# KiCad board HPM6E00FULLPORTRevB.kicad_pcb (continued)
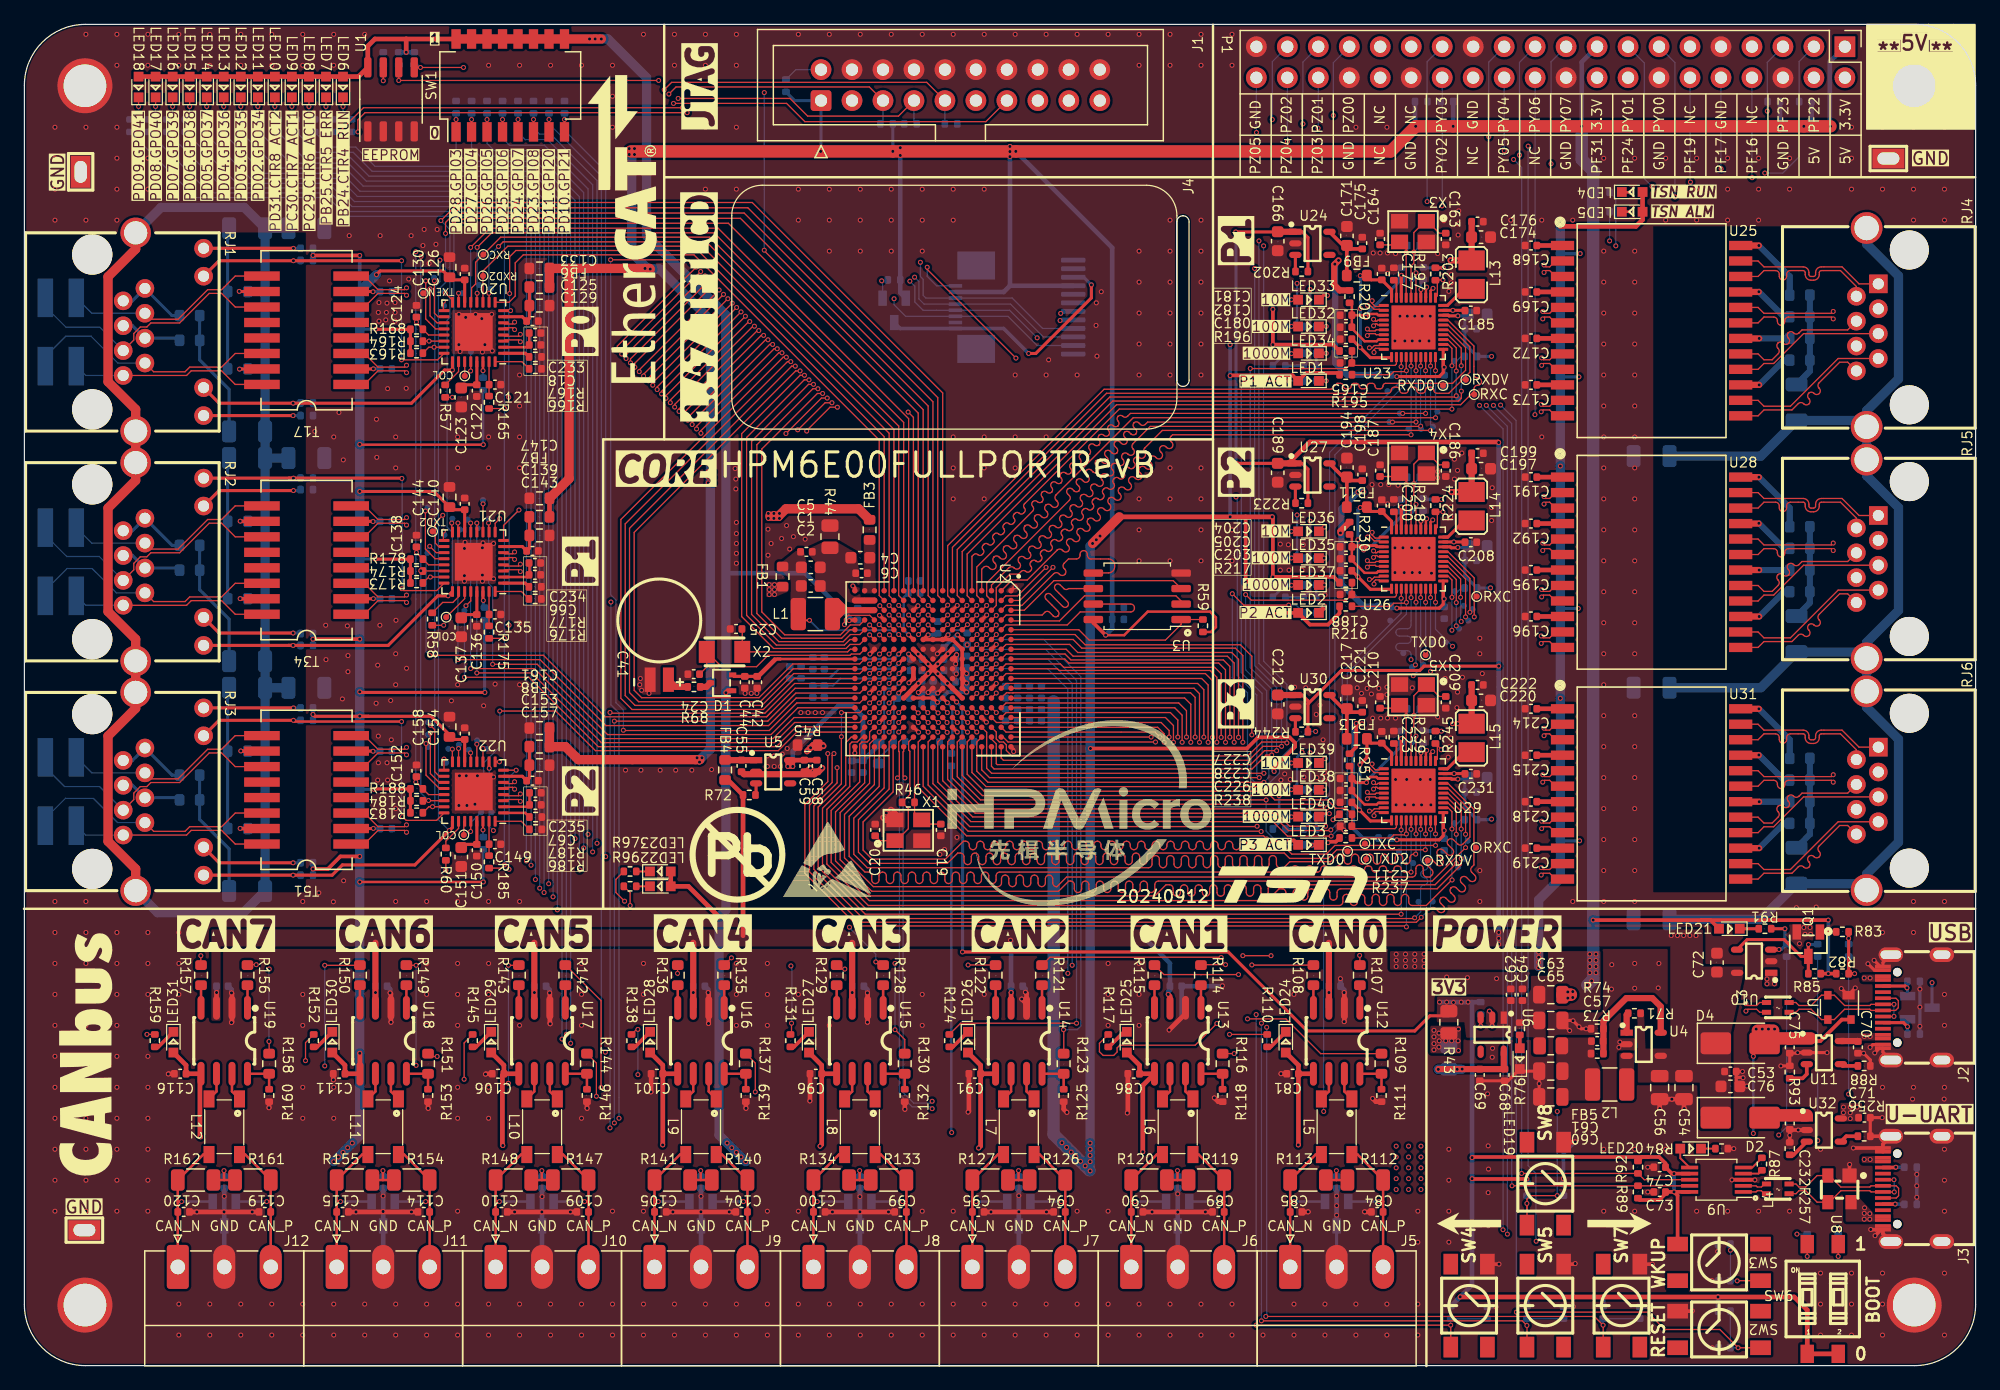
[diagram p0: board, top side]
## Routing (per net, layer and track width the routed paths; a pad name or vN(x,y) marks a point on that pad's centre or on a via; arc(x,y) is an arc through that point) (continued)
/HPM6E00 FULL PORT MAINENTRY/10-USB-BOOT-KEY-LED/VBUS_DEBUG:
  vias: v1(149.16,21.2) v1(149.16,20.74) v1(149.72,21.2) v1(149.72,20.74) v1(149.72,20.26) v1(150.28,21.2) v1(150.87,16.91) v1(150.89,12.94) v1(150.87,12.49) v1(150.87,12) v1(151.32,12.46) v1(151.32,12) v1(151.35,16.91)
/HPM6E00 FULL PORT MAINENTRY/24-TSN-P1/AVDD: length 23
  Top w0.254: U23.40 112.11,88.25 C177.2 110.44,89.05 FB9.1 109.54,89.4 v1(109.54,89.4) ; U23.29 v1(117.13,86.55) 118.11,86.55 C185.1 ; C180.2 v1(109.52,83.52) 110.37,82.67 112.06,82.67 U23.11
  POWER3 w0.254: v1(117.13,86.55) 117.11,86.53 109.72,86.53 v1(109.54,86.71)
  Bottom w0.254: v1(109.54,89.4) v1(109.54,86.71) 109.54,83.53 v1(109.52,83.52)
/HPM6E00 FULL PORT MAINENTRY/24-TSN-P1/AVDDL: length 14.6
  Top w0.2: U23.8 111.02,84.15 110.89,84.01 109.9,84.01 108.85,85.06 C182.1
  Top w0.203: R209.2 108.85,86.98 C181.1 ; C181.1 C182.1 ; C181.1 109.82,86.15 v1(110,85.97) 110.28,86.25 110.91,86.25 111.01,86.15 U23.3
  Top w0.254: v1(112.92,89.42) 112.91,89.41 U23.38
  Bottom w0.254: v1(112.92,89.42) 112.91,89.41 C179.1 110,86.16 v1(110,85.97)
/HPM6E00 FULL PORT MAINENTRY/24-TSN-P1/DVDDL: length 7.7
  Top w0.254: 116.34,82.46 116.34,81.96 v1(116.42,81.88) ; 116.34,82.46 U23.21 ; 116.34,82.46 116.34,81.44 116.02,81.12 v1(112.54,81.12)
  Bottom w0.254: R208.2 112.2,81.12 v1(112.54,81.12) ; v1(116.42,81.88) C178.2
/HPM6E00 FULL PORT MAINENTRY/24-TSN-P1/VDDL: length 31.1
  Top w0.508: L13.2 v1(117.41,90.64) v1(116.96,90.64) ; R209.1 107.86,88.18 107.41,88.64 107.41,90.29 v1(107.76,90.64) ; C176.1 118.67,90.57
  POWER3 w0.508: 107.51,90.39 v1(107.76,90.64) v1(117.41,90.64)
  Bottom w0.508: R208.1 108.46,81.26 107.48,82.24 107.48,90.36 v1(107.76,90.64)
  vias: v1(107.46,90.34)
/HPM6E00 FULL PORT MAINENTRY/25-TSN-P2/AVDD: length 23.1
  Top w0.254: C208.1 118.11,67.55 v1(117.21,67.55) U26.29 ; U26.11 112.06,63.67 110.37,63.67 v1(109.35,64.7) C203.2 ; v1(109.54,70.37) 109.57,70.4 FB11.1 110.44,70.05 C200.2 112.11,69.25 U26.40
  POWER3 w0.254: v1(117.21,67.55) 117.19,67.53 109.55,67.53 v1(109.35,67.73)
  Bottom w0.254: v1(109.54,70.37) 109.35,70.18 v1(109.35,64.7)
/HPM6E00 FULL PORT MAINENTRY/25-TSN-P2/AVDDL: length 18.1
  Top w0.2: U26.8 111.02,65.15 110.89,65.02 109.9,65.02 108.85,66.06 C205.1
  Top w0.203: C204.1 108.95,67.25 110.89,67.25 110.99,67.15 U26.3 110.87,67.15 110.77,67.25 110.18,67.25 v1(109.82,66.89) 109.56,67.15 C204.1 ; C204.1 108.85,67.98 R230.2 ; C204.1 C205.1
  Top w0.254: U26.38 112.91,70.42 v1(112.92,70.43)
  Bottom w0.254: v1(109.82,66.89) 110.17,67.25 110.5,67.25 112.92,69.66 v1(112.92,70.43) 112.91,70.42 C202.1
/HPM6E00 FULL PORT MAINENTRY/25-TSN-P2/DVDDL: length 7.7
  Top w0.254: 116.34,63.47 116.34,62.45 116.02,62.12 v1(112.54,62.12) ; 116.34,63.47 116.34,62.96 v1(116.42,62.88) ; 116.34,63.47 U26.21
  Bottom w0.254: v1(112.54,62.12) 112.2,62.12 R229.2 ; v1(116.42,62.88) C201.2
/HPM6E00 FULL PORT MAINENTRY/25-TSN-P2/VDDL: length 26.5
  Top w0.508: C199.1 118.67,71.57 ; L14.2 v1(117.44,71.65) 117.04,71.65 v1(117.03,71.64) ; v1(107.91,68.29) 107.91,68.44 R230.1
  POWER3 w0.508: 109.36,71.64 117.44,71.64 v1(117.44,71.65)
  Bottom w0.508: v1(109.79,71.64) 109.36,71.64 v1(109.35,71.63) 107.99,70.27 107.99,64.1 109.83,62.26 R229.1
/HPM6E00 FULL PORT MAINENTRY/26-TSN-P3/AVDD: length 23.3
  Top w0.254: v1(109.51,49.29) 110.09,49.86 FB13.1 110.44,51.05 C223.2 112.11,50.25 U29.40 ; U29.11 112.06,44.67 110.37,44.67 v1(109.48,45.57) C226.2 ; U29.29 v1(117.24,48.55) 118.11,48.55 C231.1
  POWER3 w0.254: v1(109.51,49.29) 109.51,48.78 109.77,48.53 117.21,48.53 v1(117.24,48.55)
  Bottom w0.254: v1(109.48,45.57) 109.51,45.61 v1(109.51,49.29)
/HPM6E00 FULL PORT MAINENTRY/26-TSN-P3/AVDDL: length 15.4
  Top w0.2: C228.1 108.85,47.06 109.9,46.02 110.89,46.02 111.02,46.15 U29.8
  Top w0.203: v1(110.05,47.82) 110.05,47.97 110.35,48.28 110.86,48.28 110.99,48.15 U29.3 ; C228.1 C227.1 108.85,48.98 R251.2
  Top w0.254: v1(112.92,51.43) 112.91,51.42 U29.38 ; C227.1 109.19,47.82 v1(110.05,47.82)
  Bottom w0.254: v1(110.05,47.82) 110.05,47.95 112.92,50.82 v1(112.92,51.43) 112.91,51.42 C225.1
/HPM6E00 FULL PORT MAINENTRY/26-TSN-P3/DVDDL: length 7.7
  Top w0.254: U29.21 116.34,44.47 ; 116.34,44.47 116.34,43.96 v1(116.42,43.88) ; 116.34,44.47 116.34,43.45 116.02,43.12 v1(112.54,43.12)
  Bottom w0.254: v1(112.54,43.12) 112.2,43.12 R250.2 ; v1(116.42,43.88) C224.2
/HPM6E00 FULL PORT MAINENTRY/26-TSN-P3/VDDL: length 27.5
  Top w0.3: L15.2 v1(117.52,52.65) 117.11,52.65 v1(117.11,52.64) ; v1(109.69,52.63) 109.68,52.64 109.24,52.64 v1(109.21,52.67) 109.21,50.73 R251.1
  Top w0.508: C222.1 118.67,52.57
  POWER3 w0.3: v1(109.21,52.67) 109.24,52.64 117.51,52.64 v1(117.52,52.65)
  Bottom w0.3: R250.1 109.75,43.26 108.96,44.06 108.96,52.42 v1(109.21,52.67)
GND: length 232.1
  Top w0.254: v1(73.27,62.32) U2.L3 ; U2.A17 81.12,50.54 v1(81.12,50.36) ; U2.L15 72.92,52.35 v1(73.32,51.95) ; v1(76.49,51.96) U2.G15 ; 140.37,23.64 C53.2 140.88,24.12 v1(140.88,24.12) ; 140.37,23.64 140.37,23.2 C76.2 141.22,22.9 v1(141.24,22.93) ; 140.37,23.64 140.91,23.64 v1(140.93,23.61) ; v1(79.7,55.95) 79.3,55.55 U2.C11 ; v1(151.17,32.96) 151.7,32.43 J2.B1 ; U2.P14 v1(70.09,52.75) ; v1(144.03,24.58) 144.04,24.58 R93.1 C75.2 145.36,25.62 v1(145.4,25.67) 145.41,25.67 U11.2 147.82,25.67 v1(147.82,25.67) ; R74.1 v1(128.06,27.63) 127.65,27.63 v1(127.49,27.79) v1(126.99,28.29) 126.97,28.31 C65.2 126.11,28.07 v1(126.71,27.47) ; v1(152.34,20.34) C71.2 151.36,18.82 R256.1 ; v1(67.93,63.95) 68.1,63.78 U2.U1 ; v1(150.13,30.98) 149.58,30.43 U7.1 149.53,30.38 v1(148.99,30.93) ; J2.B12 151.58,26.33 v1(151.35,26.1) ; v1(151.68,33.24) 152.19,32.73 J2.A12 152.4,33.05 J2.2 ; v1(76.49,62.35) U2.G3 ; v1(68.09,50.23) 68.1,50.24 U2.U17 ; U2.A1 v1(81.24,63.9) ; C70.2 150.81,25.62 v1(150.82,25.62) 151.37,25.07 R88.1 ; U2.C7 v1(79.7,59.15) ; U2.D14 v1(78.88,52.77) ; v1(130.83,26.53) 131,26.36 U4.2 131,26.36 v1(130.75,26.1) ; v1(70.12,61.53) U2.P4 ; C60.2 v1(124.21,23.13) C61.2 122.8,24.15 LED19.1 121.66,23.36 C69.2 ; J2.1 152.4,25.71 J2.A1 152.12,26.03 v1(151.73,25.64) ; U2.D4 v1(78.91,61.56) ; U2.R11 v1(69.31,55.16)
  Top w0.3: C74.2 133.11,16.27 v1(133.11,16.27) ; v1(127.17,8.37) 127.12,8.32 SW5.2 ; J3.A12 v1(149.98,17.85) ; U2.H11 75.29,55.55 v1(74.89,55.16) ; v1(140.02,15.23) 140.04,15.25 U9.3 141.88,15.25 v1(141.9,15.23) ; J3.A1 152.24,11.15 v1(151.75,10.66) ; J3.A1 152.4,10.83 J3.1 ; J3.A1 151.42,11.15 v1(151.4,11.17) ; v1(108.22,43.91) 107.89,44.23 C211.2 ; SW2.2 136.75,4.47 v1(136.77,4.49) ; U2.J11 74.45,55.55 v1(74.11,55.21) ; C73.1 133.11,14.24 v1(133.11,14.24) ; SW4.2 120.92,8.32 v1(120.92,8.32) ; v1(140.17,17.8) 140.17,17.8 R84.1 ; U2.L8 72.9,57.97 v1(72.51,58.36) ; v1(74.87,58.38) 75.24,58.75 U2.H7 ; v1(120.36,27.85) U6.2 120.36,28.84 v1(120.13,29.07) ; U2.G8 v1(76.45,58.3) 76.45,58.35 76.37,58.27 v1(76.37,57.55) ; R256.1 153.05,18.81 J3.2 152.4,18.17 J3.B1 ; R257.1 v1(144.76,18.89) C232.2 144.82,19.32 v1(145.46,19.32) U32.2 ; SW7.2 133.49,8.32 v1(133.49,8.32) ; v1(73.3,55.21) 73.35,55.21 U2.K11 ; U8.1 149.66,16.49 v1(149.67,16.5) ; U2.R7 69.7,58.73 v1(69.33,58.36)
  Top w0.381: R160.1 20.07,21.16 v1(20.06,21.15) ; C110.1 v1(40.2,12.6) v1(42.43,12.6) v1(44.77,12.6) C109.2 ; v1(127.17,18.35) 127.14,18.32 SW8.2 ; v1(51.37,22.44) 51.39,22.46 C101.2 ; R153.1 33.1,21.11 v1(33.11,21.1) ; C105.1 v1(53.18,12.6) v1(57.8,12.6) C104.2 ; v1(97.58,21.96) 97.89,21.65 R118.1 ; v1(69.13,28.16) 69.15,28.18 U15.2 69.15,30.55 v1(69.13,30.57) ; v1(30.06,28.16) 30.05,28.17 U18.2 30.05,30.5 v1(29.99,30.57) ; v1(43.07,30.57) 43.09,30.55 U17.2 43.09,28.07 v1(43.12,28.03) ; v1(77.38,20.79) 77.45,20.86 C91.2 ; C84.2 109.9,12.6 v1(109.9,12.61) ; R125.1 85.22,21.03 v1(85.49,20.77) ; v1(72.2,21.02) 72.19,21.03 R132.1 ; v1(134.1,21.07) 134.09,21.08 C56.2 v1(135.09,21.85) C54.2 136.08,21.1 v1(136.11,21.07) ; v1(56.07,30.6) 56.12,30.55 U16.2 56.12,28.07 v1(56.1,28.06) ; v1(11.8,23.92) 11.82,23.94 C116.2 ; C119.2 v1(18.68,12.6) v1(16.37,12.6) v1(14.14,12.6) C120.1 ; v1(64.4,21.71) 64.42,21.72 C96.2 ; v1(37.81,23.9) 37.85,23.94 C106.2 ; C90.1 v1(92.47,12.6) v1(96.84,12.6) C89.2 ; v1(90.44,20.72) 90.48,20.76 C86.2 ; C114.2 v1(31.74,12.6) v1(27.19,12.6) C115.1 ; v1(108.22,28.21) 108.24,28.23 U12.2 108.24,30.58 v1(108.22,30.6) ; v1(82.08,30.62) 82.18,30.53 U14.2 82.18,29.66 v1(81.78,30.06) ; v1(93.87,27.52) 95.21,28.86 U13.2 ; v1(25.34,23.43) 25.33,23.44 C111.2 ; C85.1 105.26,12.6 v1(105.27,12.61) ; C81.2 103.04,23.94 v1(103.04,23.94) ; R139.1 59.16,21.11 v1(59.17,21.1) ; v1(16.98,30.57) 17.02,30.53 U19.2 17.02,28.17 v1(16.98,28.13) ; v1(110.56,21.91) 110.82,21.65 R111.1 ; C99.2 v1(70.86,12.6) v1(66.26,12.6) C100.1 ; C94.2 v1(83.81,12.6) v1(79.26,12.6) C95.1 ; R146.1 46.13,21.11 v1(46.14,21.1)
  Top w0.508: v1(70.42,44.95) 70.61,44.76 X1.4 71.38,45.26 v1(71.06,45.58)
  Top w1.016: C63.2 126.81,30.42
  Bottom w0.254: R79.1 v1(155.43,27.83) v1(155.43,29.4) v1(155.43,30.88) R77.1 ; D5.3 J5.2
  Bottom w0.3: C80.2 126.22,15.32 v1(126.2,15.33) 126.2,17.39 v1(127.17,18.35) ; R50.1 138.88,9.39 v1(138.85,9.36) ; C26.2 138.38,6.96 v1(138.37,6.97) ; v1(133.29,4.79) 133.26,4.82 C79.2 ; v1(120.67,4.82) 120.66,4.82 C77.2 ; C22.2 v1(138.39,1.46) ; R78.1 v1(155.18,15.69) v1(155.18,14.75) v1(155.18,13.81) R80.1 ; C78.2 126.99,4.82 v1(127.02,4.84)
  Bottom w0.381: D5.3 v1(107.6,12.33) v1(107.6,13.12) v1(107.6,13.91) C83.2 ; v1(56.07,30.6) 56.07,30.85 C102.1 ; v1(98.24,31.16) 98.2,31.12 C87.1 94.9,28.55 v1(93.87,27.52) ; J6.2 D6.3 v1(94.57,12.59) v1(94.57,14.09) C88.2 ; v1(82.08,30.62) 82.08,30.9 C92.1 ; J12.2 D12.3 v1(16.39,13.88) C118.2 ; C117.1 16.98,30.85 v1(16.98,30.57) ; J9.2 v1(55.48,12.61) v1(55.48,13.88) C103.2 ; v1(43.07,30.57) 43.07,30.83 C107.1 ; J8.2 v1(68.51,12.61) v1(68.51,13.86) C98.2 ; C112.1 29.99,30.88 v1(29.99,30.57) ; C97.1 69.13,30.83 v1(69.13,30.57) ; J11.2 v1(29.42,12.64) v1(29.42,13.91) C113.2 ; C108.2 v1(42.45,13.86) J10.2 ; J7.2 v1(81.54,12.61) v1(81.54,13.93) C93.2 ; v1(108.22,30.6) 108.22,30.83 C82.1 107.93,31.73 v1(107.91,31.74)
  vias: v1(2.5,101.56) v1(2.5,99.02) v1(2.5,96.48) v1(2.5,93.94) v1(2.5,38.06) v1(2.5,35.52) v1(2.5,32.98) v1(2.5,30.44) v1(2.5,27.9) v1(2.5,25.36) v1(2.5,22.82) v1(2.5,20.28) v1(2.5,17.74) v1(2.5,15.2) v1(2.5,12.66) v1(5.04,109.18) v1(5.04,101.56) v1(5.04,93.94) v1(5.04,38.06) v1(5.04,35.52) v1(5.04,32.98) v1(5.04,30.44) v1(5.04,27.9) v1(5.04,25.36) v1(5.04,22.82) v1(5.04,20.28) v1(5.04,17.74) v1(5.04,15.2) v1(5.04,12.66) v1(7.58,109.18) v1(7.58,106.64) v1(7.58,101.56) v1(7.58,99.02) v1(7.58,96.48) v1(7.58,93.94) v1(7.58,35.52) v1(7.58,32.98) v1(7.58,30.44) v1(7.58,27.9) v1(7.58,25.36) v1(7.58,22.82) v1(7.58,20.28) v1(7.58,17.74) v1(7.58,15.2) v1(7.58,12.66) v1(10.12,109.18) v1(10.12,106.64) v1(10.12,99.02) v1(10.12,96.48) v1(10.12,35.52) v1(10.12,32.98) v1(10.12,30.44) v1(10.12,25.36) v1(10.12,22.82) v1(10.12,20.28) v1(10.12,17.74) v1(10.12,15.2) v1(10.12,12.66) v1(12.66,109.18) v1(12.66,106.64) v1(12.66,35.52) v1(12.66,32.98) v1(12.66,30.44) v1(12.66,5.04) v1(12.66,2.5) v1(15.2,109.18) v1(15.2,106.64) v1(15.2,5.04) v1(15.2,2.5) v1(17.74,109.18) v1(17.74,106.64) v1(17.74,5.04) v1(17.74,2.5) v1(20.28,109.18) v1(20.28,106.64) v1(20.28,5.04) v1(20.28,2.5) v1(22.82,109.18) v1(22.82,106.64) v1(22.82,38.06) v1(22.82,30.44) v1(22.82,27.9) v1(22.82,22.82) v1(22.82,20.28) v1(22.82,5.04) v1(22.82,2.5) v1(23.82,76.62) v1(24.15,38.78) v1(24.7,60.72) v1(24.73,57.9) v1(25.36,109.18) v1(25.36,106.64) v1(25.36,76.16) v1(25.34,38.04) v1(25.36,22.82) v1(25.36,20.28) v1(25.36,5.04) v1(25.36,2.5) v1(25.8,78.17) v1(26.08,54.68) v1(26.15,74.28) v1(26.18,39.77) v1(26.48,60.67) v1(26.53,58.23) v1(26.53,56.91) v1(26.63,92.67) v1(27.9,109.18) v1(27.9,5.04) v1(27.9,2.5) v1(28.87,77.61) v1(28.9,74.49) v1(28.84,54.32) v1(29.02,86.38) v1(28.97,57.44) v1(29.02,51.63) v1(29.02,49.44) v1(28.97,48.02) v1(29.07,87.19) v1(29.07,85.66) v1(29.17,92.67) v1(29.15,60.72) v1(29.68,86.38) v1(29.63,85.77) v1(29.73,87.14) v1(29.78,80.13) v1(29.73,49.44) v1(29.78,48.02) v1(29.94,88.97) v1(30.04,54.55) v1(30.09,51.32) v1(30.39,87.19) v1(30.39,86.38) v1(30.39,85.66) v1(30.44,76.16) v1(30.44,73.62) v1(30.47,61.13) v1(30.44,58.38) v1(30.44,55.84) v1(30.44,45.68) v1(30.44,38.06) v1(30.44,5.04) v1(30.44,2.5) v1(31.31,80.15) v1(31.33,57.19) v1(31.51,89.12) v1(31.71,92.67) v1(32.68,91.86) v1(32.78,93.18) v1(32.98,38.06) v1(32.98,32.98) v1(32.98,30.44) v1(32.98,27.9) v1(32.98,5.04) v1(32.98,2.5) v1(33.19,90.39) v1(33.75,91.96) v1(33.85,93.18) v1(35.02,54.52) v1(35.52,76.16) v1(35.52,73.62) v1(35.52,55.84) v1(35.52,38.06) v1(35.52,32.98) v1(35.52,30.44) v1(35.52,27.9) v1(35.52,22.82) v1(35.52,20.28) v1(35.52,12.66) v1(35.52,5.04) v1(35.52,2.5) v1(35.63,86.22) v1(35.63,83.73) v1(35.63,45.94) v1(35.68,48.38) v1(35.73,83.17) v1(36.08,67.02) v1(36.08,64.79) v1(36.08,64.33) v1(36.18,85.97) v1(36.13,67.53) v1(36.24,48.38) v1(36.29,45.94) v1(37,86.22) v1(36.95,46.04) v1(37.15,48.38) v1(37.51,85.87) v1(37.56,83.12) v1(37.61,67.48) v1(37.56,67.07) v1(37.56,64.84) v1(37.56,64.33) v1(37.66,54.12) v1(37.76,83.73) v1(38.06,106.64) v1(38.06,76.16) v1(38.06,73.62) v1(38.06,38.06) v1(38.06,32.98) v1(38.06,30.44) v1(38.06,22.82) v1(38.06,20.28) v1(38.06,5.04) v1(38.06,2.5) v1(38.32,86.22) v1(38.37,83.23) v1(38.47,67.43) v1(38.47,64.53) v1(38.47,48.28) v1(38.6,55.9) v1(40.6,106.64) v1(40.6,81.24) v1(40.6,78.7) v1(40.6,76.16) v1(40.6,73.62) v1(40.6,60.92) v1(40.6,55.84) v1(40.6,38.06) v1(40.6,27.9) v1(40.6,5.04) v1(40.6,2.5) v1(43.14,106.64) v1(43.14,5.04) v1(43.14,2.5) v1(45.68,106.64) v1(45.68,32.98) v1(45.68,30.44) v1(45.68,27.9) v1(45.68,20.28) v1(45.68,5.04) v1(45.68,2.5) v1(48.22,106.64) v1(48.22,104.1) v1(48.22,101.56) v1(48.22,12.66) v1(48.22,5.04) v1(48.22,2.5) v1(49.29,48.83) v1(50.51,56.35) v1(50.46,55.84) v1(50.61,55.39) v1(50.56,48.83) v1(50.76,109.18) v1(50.76,32.98) v1(50.76,30.44) v1(50.76,12.66) v1(50.76,5.04) v1(50.76,2.5) v1(51.22,55.13) v1(52.14,48.83) v1(53.3,109.18) v1(53.3,106.64) v1(53.3,5.04) v1(53.3,2.5) v1(53.41,48.83) v1(54.73,48.83) v1(55.84,109.18) v1(55.84,106.64) v1(55.84,101.56) v1(55.84,96.48) v1(55.84,5.04) v1(55.84,2.5) v1(56.35,48.88) v1(58.28,73.57) v1(58.38,109.18) v1(58.38,106.64) v1(58.38,101.56) v1(58.38,96.48) v1(58.33,72.71) v1(58.33,71.9) v1(58.38,69.15) v1(58.38,68.24) v1(58.38,67.43) v1(58.38,66.61) v1(58.38,65.8) v1(58.38,32.98) v1(58.38,30.44) v1(58.38,27.9) v1(58.38,5.04) v1(58.38,2.5) v1(59.1,55.13) v1(59.6,55.13) v1(60.06,55.13) v1(60.92,50) v1(60.92,49.14) v1(60.92,32.98) v1(60.92,30.44) v1(60.92,27.9) v1(60.92,12.66) v1(60.92,5.04) v1(60.92,2.5) v1(60.98,68.6) v1(60.98,66.46) v1(61.23,67.43) v1(61.48,50) v1(61.48,49.14) v1(61.99,49.14) v1(62.09,67.83) v1(62.14,50.15) v1(62.5,68.9) v1(62.55,50.61) v1(62.75,66.97) v1(63.06,67.99) v1(63.46,109.18) v1(63.46,96.48) v1(63.46,93.94) v1(63.46,30.44) v1(63.46,12.66) v1(63.46,5.04) v1(63.46,2.5) v1(63.67,53.56) v1(64.02,67.78) v1(64.26,53.56) v1(64.85,53.56) v1(65.45,53.56) v1(66,109.18) v1(66,96.48) v1(66,93.94) v1(66,91.4) v1(66,27.9) v1(66,5.04) v1(66,2.5) v1(68.54,109.18) v1(68.54,96.48) v1(68.54,93.94) v1(68.54,91.4) v1(68.54,5.04) v1(68.54,2.5) v1(70.68,45.33) v1(71.08,109.18) v1(71.08,96.48) v1(71.08,93.94) v1(71.08,91.4) v1(71.08,5.04) v1(71.08,2.5) v1(73.62,109.18) v1(73.62,96.48) v1(73.62,93.94) v1(73.62,91.4) v1(73.62,30.44) v1(73.62,27.9) v1(73.62,12.66) v1(73.62,5.04) v1(73.62,2.5) v1(75.07,41.93) v1(75.45,42.33) v1(76.16,109.18) v1(76.16,96.48) v1(76.16,93.94) v1(76.16,76.16) v1(76.16,73.62) v1(76.16,71.08) v1(76.16,12.66) v1(76.16,5.04) v1(76.16,2.5) v1(76.42,56.73) v1(76.47,43.32) v1(77.31,59.12) v1(78.7,109.18) v1(78.7,96.48) v1(78.7,76.16) v1(78.7,73.62) v1(78.7,71.08) v1(78.7,30.44) v1(78.7,5.04) v1(78.7,2.5) v1(81.24,109.18) v1(81.24,81.24) v1(81.24,76.16) v1(81.24,73.62) v1(81.24,5.04) v1(81.24,2.5) v1(83.78,109.18) v1(83.78,81.24) v1(83.78,76.16) v1(83.78,5.04) v1(83.78,2.5) v1(83.99,82.49) v1(86.32,109.18) v1(86.32,81.24) v1(86.32,12.66) v1(86.32,5.04) v1(86.32,2.5) v1(87.9,87.16) v1(87.87,85.31) v1(87.95,82.79) v1(88.31,88.08) v1(88.86,109.18) v1(88.86,32.98) v1(88.86,30.44) v1(88.86,27.9) v1(88.86,12.66) v1(88.86,5.04) v1(88.86,2.5) v1(91.4,109.18) v1(91.4,106.64) v1(91.4,91.4) v1(91.4,88.86) v1(91.4,86.32) v1(91.4,83.78) v1(91.4,81.24) v1(91.4,71.08) v1(91.4,68.54) v1(91.4,66) v1(91.4,32.98) v1(91.4,30.44) v1(91.4,27.9) v1(91.4,5.04) v1(91.4,2.5) v1(93.94,109.18) v1(93.94,106.64) v1(93.94,93.94) v1(93.94,91.4) v1(93.94,88.86) v1(93.94,86.32) v1(93.94,83.78) v1(93.94,81.24) v1(93.94,73.62) v1(93.94,71.08) v1(93.94,66) v1(93.94,5.04) v1(93.94,2.5) v1(96.48,109.18) v1(96.48,106.64) v1(96.48,93.94) v1(96.48,91.4) v1(96.48,88.86) v1(96.48,86.32) v1(96.48,83.78) v1(96.48,81.24) v1(96.48,73.62) v1(96.48,71.08) v1(96.48,68.54) v1(96.48,66) v1(96.48,5.04) v1(96.48,2.5) v1(99.02,109.18) v1(99.02,106.64) v1(99.02,68.54) v1(99.02,66) v1(99.02,5.04) v1(99.02,2.5) v1(101.56,2.5) v1(102.99,67.38) v1(102.99,65.24) v1(103.04,48.02) v1(103.34,48.53) v1(103.65,67.33) v1(103.7,65.24) v1(103.8,48.07) v1(104.1,30.44) v1(104.1,5.04) v1(104.1,2.5) v1(104.16,55.64) v1(104.76,65.24) v1(104.87,67.33) v1(104.92,48.28) v1(105.07,55.59) v1(105.93,53.41) v1(105.98,48.22) v1(106.24,54.17) v1(106.49,51.32) v1(106.59,48.63) v1(106.59,48.02) v1(106.64,63.21) v1(106.64,5.04) v1(106.64,2.5) v1(109.18,101.56) v1(109.18,5.04) v1(109.18,2.5) v1(109.29,55.59) v1(109.64,55.13) v1(110.1,55.54) v1(110.51,72.25) v1(110.45,55.08) v1(110.61,91.25) v1(110.56,53.1) v1(111.06,55.54) v1(111.17,91.25) v1(111.22,72.25) v1(111.22,53.1) v1(111.72,101.56) v1(111.72,55.64) v1(111.72,55.03) v1(111.72,5.04) v1(111.72,2.5) v1(111.78,91.25) v1(111.78,89.58) v1(111.78,70.68) v1(111.78,53.1) v1(111.88,72.25) v1(112.38,84.04) v1(112.38,67.07) v1(112.38,65.04) v1(112.44,91.2) v1(112.44,53.1) v1(112.44,48.07) v1(112.49,45.99) v1(112.64,72.2) v1(112.79,86.07) v1(113.05,67.07) v1(113.2,84.04) v1(113.15,65.04) v1(113.2,45.99) v1(113.4,86.07) v1(113.35,48.07) v1(113.81,84.04) v1(113.76,67.07) v1(113.81,65.04) v1(113.81,55.59) v1(113.91,45.99) v1(114.01,86.07) v1(114.26,12.66) v1(114.26,10.12) v1(114.26,5.04) v1(114.26,2.5) v1(114.42,84.04) v1(114.42,67.07) v1(114.42,65.04) v1(114.47,48.07) v1(114.62,86.07) v1(114.57,45.99) v1(115.18,84.04) v1(115.18,67.07) v1(115.28,86.07) v1(115.28,48.07) v1(115.38,64.99) v1(115.33,45.99) v1(115.89,91.2) v1(115.89,73.32) v1(115.89,72.81) v1(115.89,53.2) v1(116.3,74.95) v1(116.4,93.89) v1(116.5,56.35) v1(116.63,31.87) v1(116.8,88.1) v1(116.75,49.9) v1(116.8,17.74) v1(116.8,15.2) v1(116.8,12.66) v1(116.8,10.12) v1(116.86,50.76) v1(117.01,89.47) v1(117.01,88.81) v1(116.96,70.42) v1(116.96,69.61) v1(116.96,51.48) v1(117.26,74.34) v1(117.26,72.71) v1(117.52,73.42) v1(117.52,55.23) v1(117.46,53.96) v1(117.62,94.71) v1(117.57,93.64) v1(117.57,92.73) v1(117.87,74.84) v1(117.92,56.45) v1(118.33,31.82) v1(119.34,59.65) v1(119.34,58.38) v1(119.34,40.6) v1(119.34,38.06) v1(119.55,56.76) v1(119.98,22.29) v1(120.03,18.02) v1(120.06,16.12) v1(120.03,14.19) v1(120.03,11.47) v1(120.31,70.37) v1(120.31,69.31) v1(120.36,72) v1(120.39,26.02) v1(120.36,25.29) v1(120.72,31.74) v1(121.88,93.94) v1(124.42,93.94) v1(124.42,76.16) v1(126.56,30.65) v1(126.56,30.14) v1(126.96,93.94) v1(126.96,38.06) v1(126.96,30.67) v1(126.96,30.19) v1(129.5,99.02) v1(129.5,91.4) v1(129.5,88.86) v1(129.5,86.32) v1(129.5,83.78) v1(129.5,81.24) v1(129.5,78.7) v1(129.5,76.16) v1(129.5,73.62) v1(129.5,71.08) v1(129.5,68.54) v1(129.5,66) v1(129.5,63.46) v1(129.5,60.92) v1(129.5,58.38) v1(129.5,55.84) v1(129.5,53.3) v1(129.5,50.76) v1(129.5,48.22) v1(129.5,45.68) v1(129.5,43.14) v1(129.5,40.6) v1(129.5,38.06) v1(129.5,17.74) v1(129.5,12.66) v1(130.16,32.88) v1(130.14,30.88) v1(132.04,99.02) v1(132.04,91.4) v1(132.04,88.86) v1(132.04,86.32) v1(132.04,83.78) v1(132.04,81.24) v1(132.04,78.7) v1(132.04,76.16) v1(132.04,73.62) v1(132.04,71.08) v1(132.04,68.54) v1(132.04,66) v1(132.04,63.46) v1(132.04,60.92) v1(132.04,58.38) v1(132.04,53.3) v1(132.04,50.76) v1(132.04,48.22) v1(132.04,45.68) v1(132.04,43.14) v1(132.04,40.6) v1(132.04,38.06) v1(132.04,32.98) v1(132.04,30.95) v1(132.04,17.74) v1(132.04,12.66) v1(134.03,32.98) v1(133.97,30.98) v1(134.58,99.02) v1(134.58,93.94) v1(134.58,17.74) v1(137.12,99.02) v1(137.12,96.48) v1(137.12,93.94) v1(137.12,12.66) v1(139.66,99.02) v1(139.66,96.48) v1(139.66,93.94) v1(139.66,12.66) v1(142.2,99.02) v1(142.2,96.48) v1(142.2,93.94) v1(142.2,12.66) v1(144.74,99.02) v1(144.74,96.48) v1(144.74,12.66) v1(145.3,37.56) v1(145.56,34.61) v1(145.91,35.93) v1(146.01,35.37) v1(146.42,35.93) v1(146.47,35.37) v1(146.93,37.61) v1(147.28,17.74) v1(147.28,7.58) v1(147.28,5.04) v1(147.28,2.5) v1(149.82,101.56) v1(149.82,99.02) v1(149.82,96.48) v1(149.82,7.58) v1(149.82,5.04) v1(149.82,2.5) v1(151.96,108.85) v1(152.36,101.56) v1(152.36,96.48) v1(152.36,35.52) v1(152.36,22.82) v1(152.36,7.58) v1(152.36,5.04) v1(152.36,2.5) v1(154.9,101.56) v1(154.9,96.48) v1(154.9,93.94) v1(154.9,38.06) v1(154.9,35.52) v1(154.9,22.82) v1(154.83,21.86) v1(156.43,108.98) v1(157.42,21.86) v1(157.44,101.56) v1(157.44,96.48) v1(157.44,93.94) v1(157.44,38.06) v1(157.44,30.44) v1(157.44,27.9) v1(157.44,22.82) v1(157.44,17.74) v1(157.44,15.2) v1(157.44,12.66) v1(157.44,7.58) v1(157.44,2.5) v1(158.64,106.49) v1(158.66,103.72)
GND2: length 113.6
  Bottom w0.762: RJ4.9 151.06,78.32 153.68,80.93 153.68,89.36 151.06,91.98 RJ4.10 ; RJ4.9 150.54,77.52 C183.2 142.39,74.59 C184.2 ; RJ4.9 RJ5.10 151.06,72.99 153.68,70.37 153.68,61.94 151.06,59.32 RJ5.9 ; C207.2 142.39,55.6 C206.2 150.54,58.52 RJ5.9 ; RJ5.9 151.06,55.31 ; RJ6.10 151.06,53.99 153.68,51.37 153.68,42.94 151.06,40.32 RJ6.9 150.54,39.52 C229.2 142.39,36.6 C230.2
GND3: length 144
  Top w0.762: RJ3.13 9.12,40.73 6.86,43 6.86,51.64 9.12,53.91 RJ3.14 RJ2.13 9.12,59.58 6.86,61.84 6.86,70.33 9.12,72.6 RJ2.14 RJ1.13 9.12,78.43 6.86,80.69 6.86,89.31 9.12,91.57 RJ1.14
  Bottom w0.762: C159.2 19.74,55.59 C162.2 ; RJ3.13 10.93,37.15 17.96,37.15 C160.2 C131.2 ; C131.2 18.03,94.99 11.2,94.99 RJ1.14 ; C131.2 19.74,93.28 C134.2 ; C145.2 19.74,74.43 C148.2
GNDA: length 10.4
  Top w0.3: U2.L10 72.89,56.35 v1(72.53,56)
  Top w0.381: U2.L9 U2.L10
  Top w0.508: C55.2 59.01,48.5 64.78,48.5 C58.2 65.11,48.7 v1(65.42,49.01) ; C59.2 64.14,48.7 v1(64.46,49.01) ; v1(65.52,50.82) 65.45,50.89 R45.1 64.68,50.89 v1(64.47,50.68) v1(64.18,50.38)
VBAT: length 15.2
  Top w0.203: D1.2 58.19,56.53 60.29,56.53 61.71,57.95 U2.U8
  Top w0.254: D1.2 58.19,56.53 C42.1 61.51,57.95 61.99,57.95
VBUS: length 112.8
  Top w0.203: D4.2 141.77,25.51 v1(141.77,25.36)
  Top w0.3: U11.1 147.27,26.62 149.03,28.38 U7.4
  Top w0.508: 142.88,26.62 D4.2
  Top w1.016: 142.14,27.47 143.4,27.47 ; 146.47,26.84 143.2,26.84
  POWER3 w0.203: v1(76.04,19.12) 76.11,19.04
  POWER3 w0.254: 76.11,19.04 v1(141.77,19.04)
  Bottom w0.203: R49.1 76.01,19.14 v1(76.04,19.12) ; v1(141.77,19.04) v1(141.77,25.36)
  vias: v1(142.01,27.6) v1(142.51,27.6) v1(142.89,31.71) v1(142.89,31.31) v1(143.01,27.6) v1(143.5,31.71) v1(143.5,31.31) v1(143.52,27.6)
VCC: length 831.4
  Top w0.203: R238.1 107.75,45.22 v1(107.3,44.77) ; v1(37.63,39.66) v1(27.5,39.66) ; v1(27.5,75.55) 27.52,75.53 v1(37.63,75.53)
  Top w0.254: v1(28.87,89.47) 29.17,89.78 34.34,89.78 C130.1 35.07,89.05 C126.1 ; v1(67.63,61.1) 67.68,61.15 U2.U4 ; v1(117.54,67.1) 117.51,67.07 117.01,67.07 116.93,67.15 U26.28 ; U22.14 36.1,51.35 C154.1 35.07,51.35 C158.1 34.86,51.73 33.34,53.25 28.21,53.25 ; R203.2 115.71,90.03 v1(116.35,90.03) ; 28.21,53.25 23.82,53.25 v1(23.66,53.41) ; 28.21,53.25 27.51,53.25 v1(27.5,53.27) ; U23.28 116.77,86.15 116.82,86.1 v1(117.54,86.1) ; v1(37.76,55.21) 27.55,55.21 v1(27.5,55.26) ; v1(28.77,66.16) 28.78,66.14 R178.1 R173.2 ; v1(75.73,59.93) 75.35,59.55 U2.H6 ; v1(27.5,71.69) 33.58,71.69 C144.1 35.07,70.2 C140.1 36.1,70.2 U21.14 ; v1(28.82,85) 28.83,84.99 R168.1 R163.2 ; v1(74.87,54.4) 74.51,54.75 U2.J12 U2.L12 ; v1(28.67,47.26) 28.71,47.3 R188.1 R183.2 ; U20.14 36.1,89.04 ; v1(117.54,48.1) 117.54,48.1 117.03,48.1 116.98,48.15 U29.28
  Top w0.3: v1(102.33,69.61) 102.38,69.56 v1(102.38,64.68) 107.37,64.68 R217.1 ; U2.F10 76.9,56.33 v1(77.26,55.97) ; R216.1 107.84,61.72 106.9,60.77 105.41,60.77 LED2.2 102.68,61.74 v1(102.53,61.89) ; v1(77.26,56.76) 76.9,57.12 U2.F9 ; v1(103.75,43.07) 104.09,43.07 LED3.2 ; v1(102.38,86.63) v1(102.38,83.73) 107.32,83.73 R196.1 ; R195.1 107.7,81.41 105.1,81.41 LED1.2 103.99,81.22 98.9,81.22 v1(98.87,81.19) ; R245.2 115.71,52.03 v1(116.19,52.03) ; v1(102.48,48.73) 102.48,49.04 104.21,50.76 104.21,51.07 103.75,51.53 101.16,51.53 100.24,50.61 v1(87.42,50.61) ; v1(74.11,59.93) 73.73,59.55 U2.K6 U2.G6 U2.F7 U2.F11 76.94,55.55 v1(77.26,55.23) ; v1(23.66,40.73) 24.88,40.73 25.91,41.76 v1(27.5,41.76) ; R224.2 115.71,71.03 v1(116.19,71.03) ; R237.1 107.54,42.97 106.98,42.97 v1(106.9,42.89) ; v1(100.14,64.28) 100.14,69.61 ; v1(27.5,91.05) v1(23.66,91.05) ; v1(23.66,59.58) v1(27.5,59.58)
  Top w0.381: LED25.2 91.44,24.64 C86.1 U13.5 91.71,22.98 v1(91.71,17.54) ; C101.1 U16.5 ; C101.1 52.35,18.11 v1(52.34,18.1) ; C101.1 52.35,24.64 LED28.2 ; LED30.2 26.29,24.64 C111.1 U18.5 27.51,25.6 v1(27.5,25.62) ; v1(125.95,93.44) 132.15,93.44 132.69,93.98 LED5.2 LED4.2 ; C81.1 U12.5 ; C81.1 104.47,18.11 v1(104.46,18.1) ; C81.1 104.47,24.64 LED24.2 ; 46.55,108.78 46.52,108.8 v1(46.34,108.8) ; C96.1 U15.5 ; C96.1 65.38,24.64 LED27.2 ; C96.1 65.38,18.14 v1(65.24,18) ; v1(39.23,18.05) 39.19,18.09 39.19,23.81 C106.1 ; C91.1 78.41,18.01 v1(78.25,17.85) ; C91.1 U14.5 ; C91.1 78.41,24.64 LED26.2 ; D1.1 57.68,55.35 v1(57.52,55.18) ; v1(14.44,18.76) 14.4,18.81 14.4,23.85 U19.5 C116.1 13.26,24.64 LED31.2 ; LED29.2 39.32,24.64 C106.1 ; 89.78,69.61 v1(98.87,69.61) v1(102.33,69.61) ; C106.1 U17.5 ; LED18.2 27.4,105.72 U1.8 28.16,108.22 28.74,108.8 31.31,108.8 ; 31.31,108.8 v1(31.31,107.71) ; 31.31,108.8 SW1.16 ; v1(56.96,36.79) 54.45,39.31 LED22.2 LED23.2